# Altium PCB camera_module_PCB_V1R1.PcbDoc (part 1 of 2)
Units mil, origin at the board's own origin, x right, y up, seen from the top; angles counter-clockwise.
Board outline 5500 x 3000 mil, 4 copper layers (Component Side, Ground Plane, Power Plane, Solder Side), stack 33.234 mil thick; 119 components, 159 nets, 634 pads, 323 vias.
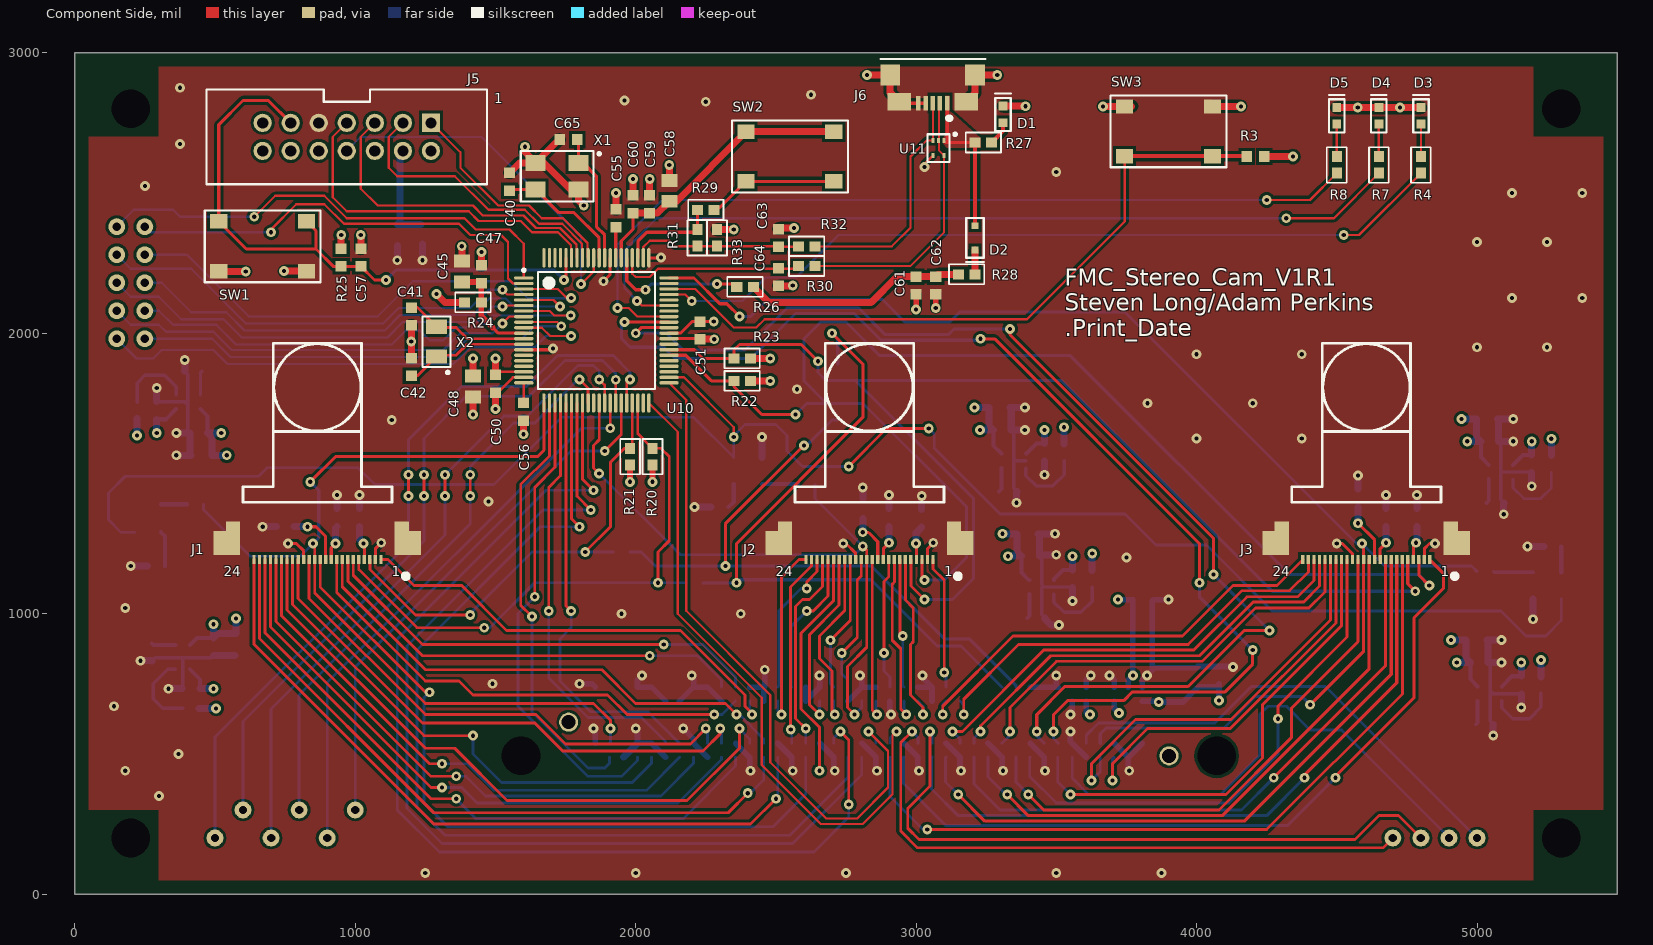
[diagram p0: Component Side view]
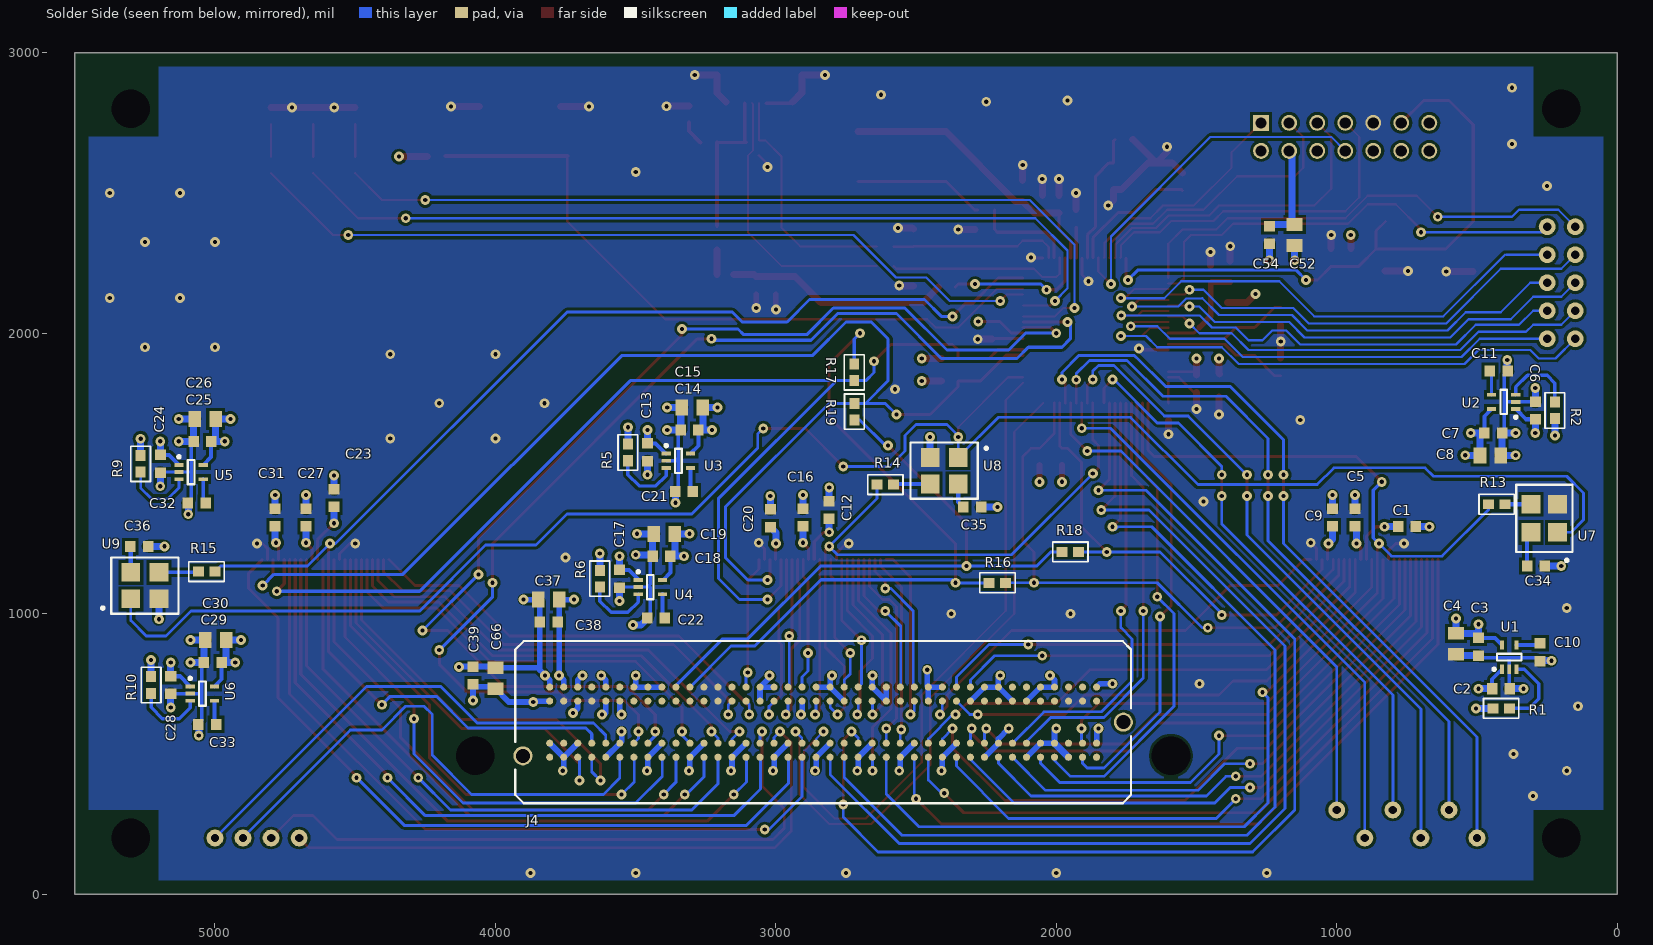
[diagram p1: Solder Side view, seen from below]
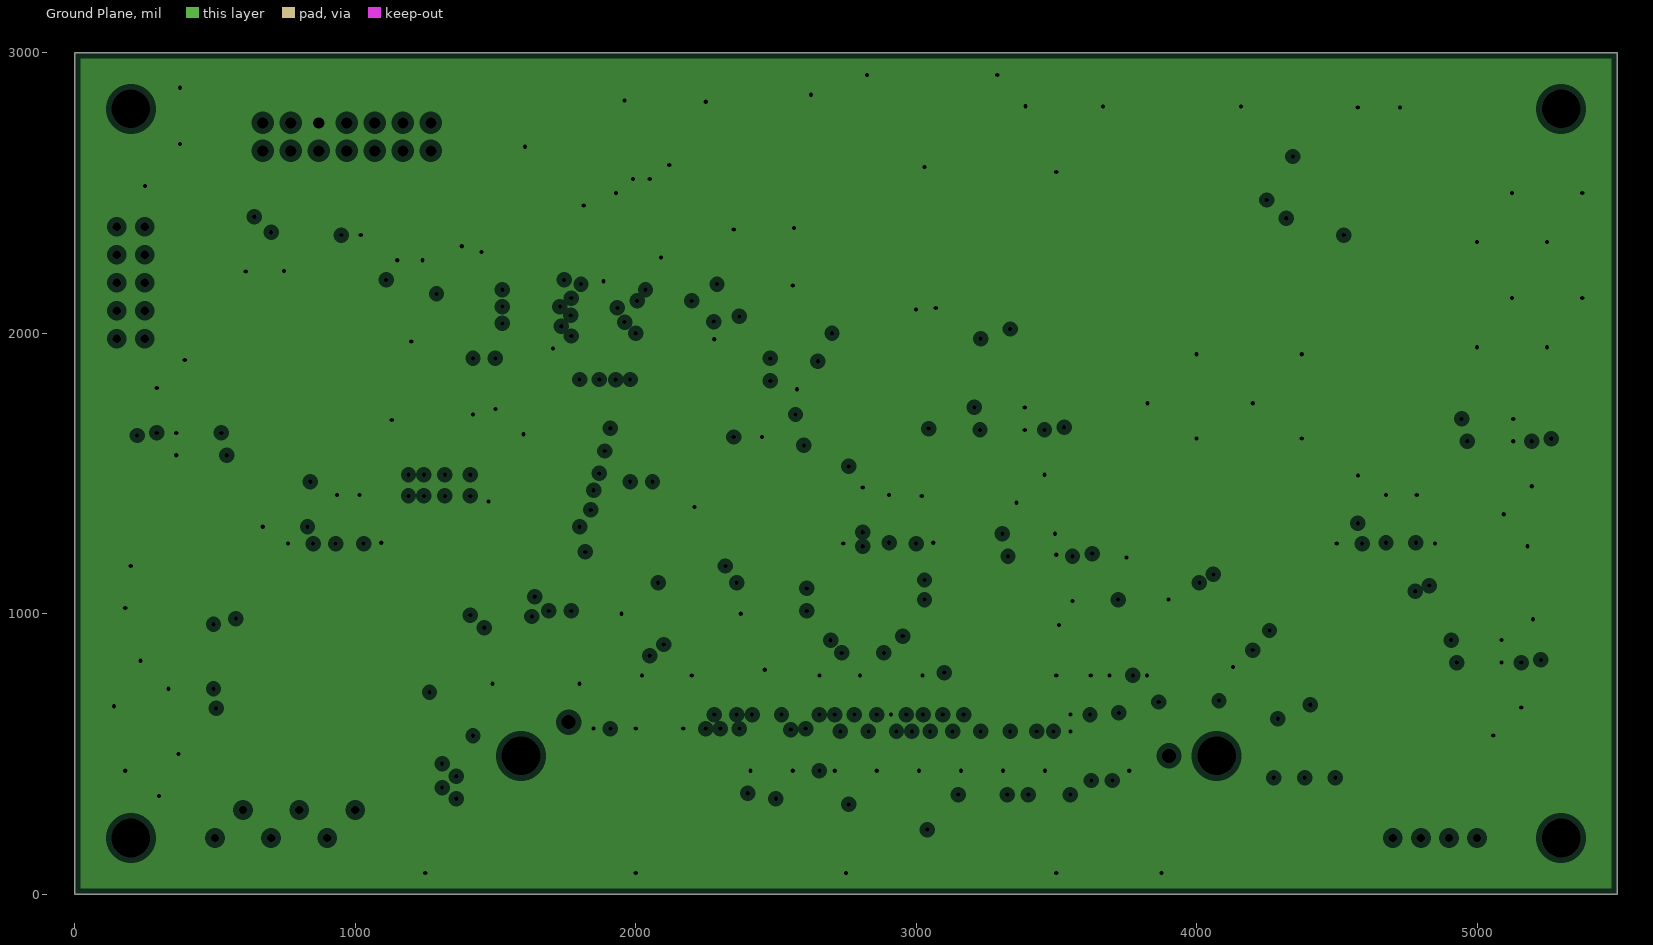
[diagram p2: Ground Plane, clearances drawn from the general rule]
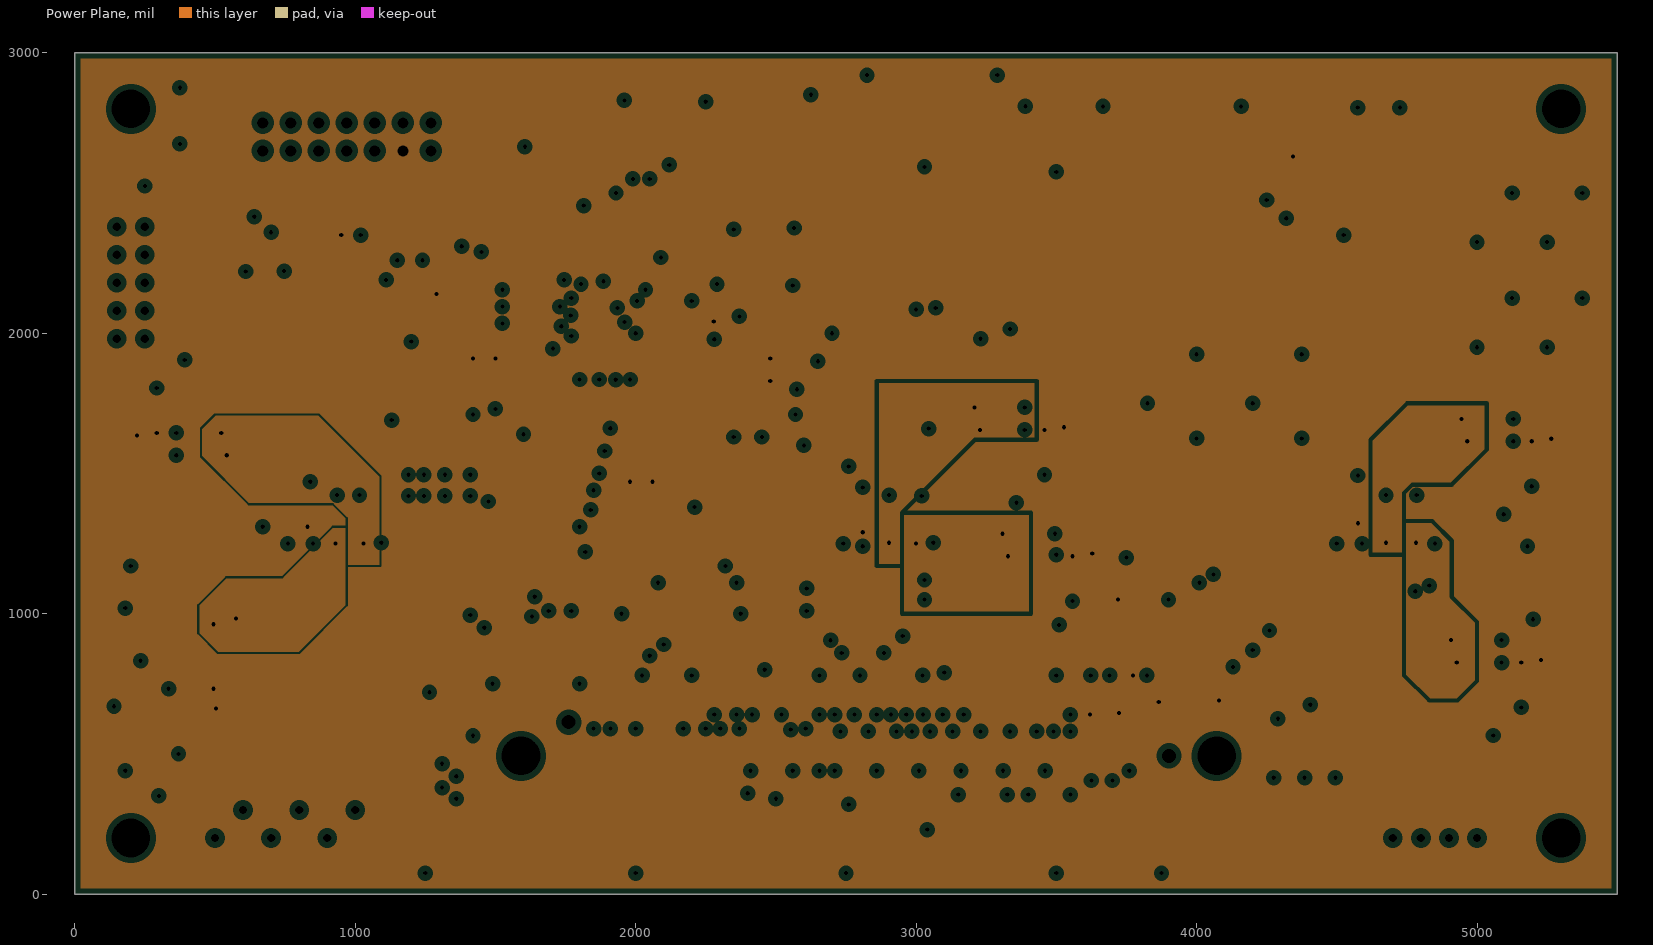
[diagram p3: Power Plane, clearances drawn from the general rule]

## Layer stack, top to bottom
Top Solder: solder mask 0.4, Solder Resist, Dk 3.5
Component Side: signal copper 1.4
Dielectric 1: core 12.6, FR-4, Dk 4.8
Ground Plane: plane copper 1.417, net GND
Dielectric 3: prepreg 5, Dk 4.2
Power Plane: plane copper 1.417, net (Multiple Nets)
Dielectric 4: core 10, Dk 4.2
Solder Side: signal copper 1.4
Bottom Solder: solder mask 0.4, Solder Resist, Dk 3.5

## Board outline
0,0 5500,0 5500,3000 0,3000

## Design rules (kind name [scope] priority, off if disabled: settings)
Clearance [All] p1: gap=7 except(10: Arc-Poly Track-Poly SMDPad-Poly THPad-Poly Via-Poly Fill-Poly Poly-Poly Poly-Region Poly-Text)
HoleSize [All] p1: absolutevalues=TRUE maxlimit=200 minlimit=15 maxpercent=80.000 minpercent=20.000
MinimumSolderMaskSliver [All] p1: minsoldermaskwidth=4
PlaneClearance [All] p1: clearance=20
PlaneConnect [All] p1: planeconnectstyle=Direct reliefexpansion=20 reliefentries=4 reliefconductorwidth=10 reliefairgap=10
PolygonConnect [All] p1: connectstyle=Direct reliefconductorwidth=10 reliefentries=4 polygonreliefangle="90 Angle" airgapwidth=10
RoutingVias [All] p1: holewidth=15 width=35 viastyle="Through Hole" minholewidth=15 minwidth=30 maxholewidth=28 maxwidth=50
SilkToSolderMaskClearance SilkscreenOverComponentPads [IsPad] p1: minsilkscreentomaskgap=6 clearancetoexposedcopper=TRUE
SolderMaskExpansion [All] p1: expansion=6
Width [All] p1: maxlimit=50 minlimit=6 preferedwidth=10
25 further rules are at their usual default settings.

## Classes and differential pairs
component class "[05] - MSP430F5529": C40 C41 C42 C45 C47 C48 C50 C51 C52 C54 C55 C56 C57 C58 C59 C60 C61 C62 C63 C64 C65 C? D1 D2 D3 D4 D5 J5 J6 R3 R4 R7 R8 R20 R21 R22 R23 R24 R25 R26 R27 R28 R29 R30 R31 R32 R33 SW1 SW2 SW3 U10 U11 X1 X2
component class "[03] - OV2640": C1 C2 C3 C4 C5 C6 C7 C8 C9 C10 C11 C12 C13 C14 C15 C16 C17 C18 C19 C20 C21 C22 C23 C24 C25 C26 C27 C28 C29 C30 C31 C32 C33 C34 C35 C36 J1 J2 J3 R1 R2 R5 R6 R9 R10 R13 R14 R15 U1 U2 U3 U4 U5 U6 U7 U8 U9
component class "[04] - Connectors": C37 C38 C39 C66 J4 R16 R17 R18 R19

## Components (designator, comment, footprint, x,y, rotation, side; value= is the part's Value field where it differs from the comment)
C1 "GRM188R71C105KA12D" CAP-0603 750,1310 r180 bottom
C2 "GRM188R71C105KA12D" CAP-0603 414.65,732.28 r180 bottom
C3 "GRM188R71C105KA12D" CAP-0603 494.65,882.28 r270 bottom
C4 "GRM21BR61E106KA73L" CAP-0805 574.65,892.28 r270 bottom
C5 "GRM188R71C104KA01D" CAP-0603 935.28,1342.6 r90 bottom
C6 "GRM188R71C105KA12D" CAP-0603 292.28,1724.65 r90 bottom
C7 "GRM188R71C105KA12D" CAP-0603 442.28,1644.65 r180 bottom
C8 "GRM21BR61E106KA73L" CAP-0805 452.28,1564.65 r180 bottom
C9 "GRM188R71C104KA01D" CAP-0603 1015.28,1342.6 r90 bottom
C10 "GRM188R71E103KA01D" CAP-0603 274.65,862.28 r270 bottom
C11 "GRM188R71E103KA01D" CAP-0603 422.28,1864.65 r180 bottom
C12 "GRM188R71C105KA12D" CAP-0603 2810,1370 r90 bottom (schematic designator C1)
C13 "GRM188R71C105KA12D" CAP-0603 3457.72,1575.28 r270 bottom (schematic designator C2)
C14 "GRM188R71C105KA12D" CAP-0603 3307.72,1655.28 r0 bottom (schematic designator C3)
C15 "GRM21BR61E106KA73L" CAP-0805 3297.72,1735.28 r0 bottom (schematic designator C4)
C16 "GRM188R71C104KA01D" CAP-0603 2903.78,1342.6 r90 bottom (schematic designator C5)
C17 "GRM188R71C105KA12D" CAP-0603 3557.72,1124.72 r270 bottom (schematic designator C6)
C18 "GRM188R71C105KA12D" CAP-0603 3407.72,1204.72 r0 bottom (schematic designator C7)
C19 "GRM21BR61E106KA73L" CAP-0805 3397.72,1284.72 r0 bottom (schematic designator C8)
C20 "GRM188R71C104KA01D" CAP-0603 3020,1340 r90 bottom (schematic designator C9)
C21 "GRM188R71E103KA01D" CAP-0603 3327.72,1435.28 r0 bottom (schematic designator C10)
C22 "GRM188R71E103KA01D" CAP-0603 3427.72,984.72 r0 bottom (schematic designator C11)
C23 "GRM188R71C105KA12D" CAP-0603 4575.43,1412.6 r90 bottom (schematic designator C1)
C24 "GRM188R71C105KA12D" CAP-0603 5195,1534.41 r270 bottom (schematic designator C2)
C25 "GRM188R71C105KA12D" CAP-0603 5045,1614.41 r0 bottom (schematic designator C3)
C26 "GRM21BR61E106KA73L" CAP-0805 5035,1694.41 r0 bottom (schematic designator C4)
C27 "GRM188R71C104KA01D" CAP-0603 4675.43,1342.6 r90 bottom (schematic designator C5)
C28 "GRM188R71C105KA12D" CAP-0603 5157.72,745.59 r270 bottom (schematic designator C6)
C29 "GRM188R71C105KA12D" CAP-0603 5007.72,825.59 r0 bottom (schematic designator C7)
C30 "GRM21BR61E106KA73L" CAP-0805 4997.72,905.59 r0 bottom (schematic designator C8)
C31 "GRM188R71C104KA01D" CAP-0603 4785.43,1342.6 r90 bottom (schematic designator C9)
C32 "GRM188R71E103KA01D" CAP-0603 5065,1394.41 r0 bottom (schematic designator C10)
C33 "GRM188R71E103KA01D" CAP-0603 5027.72,605.59 r0 bottom (schematic designator C11)
C34 "GRM188R71E103KA01D" CAP-0603 290,1170 r180 bottom
C35 "GRM188R71E103KA01D" CAP-0603 2300,1380 r180 bottom
C36 "GRM188R71E103KA01D" CAP-0603 5270,1240 r180 bottom
C37 "GRM21BR61E106KA73L" CAP-0805 3810,1050 r0 bottom
C38 "GRM188R71C105KA12D" CAP-0603 3810,970 r0 bottom
C39 "GRM188R71C105KA12D" CAP-0603 4080,780 r90 bottom
C40 "C1608C0G1H330J080AA" CAP-0603 1550,2540 r90 top
C41 "C1608C0G1H120J080AA" CAP-0603 1200,2060 r270 top
C42 "C1608C0G1H120J080AA" CAP-0603 1200,1880 r90 top
C45 "GRM21BR61E106KA73L" CAP-0805 1380,2220 r90 top
C47 "GRM188R71C104KA01D" CAP-0603 1450,2210 r90 top
C48 "GRM21BR61E106KA73L" CAP-0805 1420,1810 r270 top
C50 "GRM188R71C104KA01D" CAP-0603 1500,1820 r270 top
C51 "GRM188R71C104KA01D" CAP-0603 2230,2010 r270 top
C52 "GRM21BR61E106KA73L" CAP-0805 1150,2350 r270 bottom
C54 "GRM188R71C104KA01D" CAP-0603 1240,2350 r270 bottom
C55 "GRM188R71C224KA01D" CAP-0603 1930,2410 r90 top
C56 "C1608X5R1C474K080AA" CAP-0603 1600,1720 r270 top
C57 "GRM188R71C222KA01D" CAP-0603 1020,2270 r90 top
C58 "GRM21BR61E106KA73L" CAP-0805 2120,2507.4 r270 top
C59 "GRM188R71C104KA01D" CAP-0603 2050,2460 r270 top
C60 "GRM188R71C224KA01D" CAP-0603 1990,2460 r90 top
C61 "GRM188R60J475KE19D" CAP-0603 3000,2170 r270 top
C62 "GRM188R71C104KA01D" CAP-0603 3070,2170 r270 top
C63 "GRM1885C1H100JA01D" CAP-0603 2510,2340 r90 top
C64 "GRM1885C1H100JA01D" CAP-0603 2510,2200 r270 top
C65 "C1608C0G1H330J080AA" CAP-0603 1760,2690 r180 top
C66 "GRM21BR60J476ME15L" CAP-0805 4000,770 r90 bottom
D1 "LB Q39E-N1OO-35-1" LED_0603 3310,2780 r90 top
D2 "SD103AWS-E3-08" SOD-323 3210,2340 r90 top
D3 "SMLE12WBC7W1" LED_0603 4800,2775 r90 top
D4 "SML-D12M8WT86" LED_0603 4650,2775 r90 top
D5 "SML-D12U8WT86" LED_0603 4500,2775 r90 top
J1 "OV2640 FFC" OV2640FSL 865.28,1192.6 r0 top
J2 "OV2640 FFC" OV2640FSL 2833.78,1192.6 r0 top (schematic designator J1)
J3 "OV2640 FFC" OV2640FSL 4605.43,1192.6 r0 top (schematic designator J1)
J4 "ASP-134604-01" ASP-134604-01 2831.5,613.07 r90 bottom
J5 "2514-6002UB" 2514-6002UB 970,2700 r180 top
J6 "ZX62-B-5PA(11)" MICRO-USB 3110,2820 r180 top
R1 "ERJ-3GEY0R00V" R0603 414.17,662.28 r180 bottom
R2 "ERJ-3GEY0R00V" R0603 222.28,1724.65 r90 bottom
R3 "Panasonic Electronic Components" CAP-0603 4210,2630 r0 top
R4 "ERJ-3EKF4700V" R0603 4800,2600 r270 top
R5 "ERJ-3GEY0R00V" R0603 3527.72,1574.8 r270 bottom (schematic designator R1)
R6 "ERJ-3GEY0R00V" R0603 3627.72,1124.72 r270 bottom (schematic designator R2)
R7 "ERJ-3EKF4700V" R0603 4650,2600 r270 top
R8 "ERJ-3EKF4700V" R0603 4500,2600 r270 top
R9 "ERJ-3GEY0R00V" R0603 5265,1533.94 r270 bottom (schematic designator R1)
R10 "ERJ-3GEY0R00V" R0603 5227.72,745.59 r270 bottom (schematic designator R2)
R13 "ERJ-3GEY0R00V" R0603 430,1390 r0 bottom
R14 "ERJ-3GEY0R00V" R0603 2610,1460 r0 bottom
R15 "ERJ-3GEY0R00V" R0603 5030,1150 r180 bottom
R16 "ERJ-3GEY0R00V" R0603 2210,1110 r0 bottom
R17 "ERJ-3GEY0R00V" R0603 2720.47,1860.47 r90 bottom
R18 "ERJ-3GEY0R00V" R0603 1950,1220 r0 bottom
R19 "ERJ-3GEY0R00V" R0603 2720,1720 r270 bottom
R20 "ERJ-3EKF4701V" R0603 2060,1560 r270 top
R21 "ERJ-3EKF4701V" R0603 1980,1560 r270 top
R22 "ERJ-3EKF4701V" R0603 2380,1830 r0 top
R23 "ERJ-3EKF4701V" R0603 2380,1910 r0 top
R24 "ERJ-3GEY0R00V" R0603 1420,2110 r180 top
R25 "Panasonic Electronic Components" CAP-0603 950,2270 r90 top
R26 "ERJ-3GEY0R00V" R0603 2390,2165 r180 top
R27 "ERJ-3EKF4700V" R0603 3240,2680 r180 top
R28 "ERJ-3GEY0R00V" R0603 3180,2210 r0 top
R29 "ERJ-3EKF1000V" R0603 2250,2440 r0 top
R30 "ERJ-3EKF27R0V" R0603 2610,2239.53 r0 top
R31 "ERJ-3EKF1401V" R0603 2220,2340 r90 top
R32 "ERJ-3EKF27R0V" R0603 2610,2309.53 r0 top
R33 "ERJ-3EKF1004V" R0603 2290,2340 r90 top
SW1 "PTS645SH50SMTR92 LFS" "TACTILE SWITCH" 670,2310 r0 top
SW2 "PTS645SH50SMTR92 LFS" "TACTILE SWITCH" 2550,2630 r0 top
SW3 "PTS645SH50SMTR92 LFS" "TACTILE SWITCH" 3900,2720 r180 top
U1 "TPS71713DCKR" SOT65P210X110-5N 385,845 r90 bottom
U2 "TPS71728DCKR" SOT65P210X110-5N 405,1755 r0 bottom
U3 "TPS71713DCKR" SOT65P210X110-5N 3347.72,1545 r180 bottom (schematic designator U1)
U4 "TPS71728DCKR" SOT65P210X110-5N 3447.72,1095 r180 bottom (schematic designator U2)
U5 "TPS71713DCKR" SOT65P210X110-5N 5085,1505 r180 bottom (schematic designator U1)
U6 "TPS71728DCKR" SOT65P210X110-5N 5045,715 r180 bottom (schematic designator U2)
U7 "24MHz" "OSC 4-SMD" 260,1340 r90 bottom
U8 "24MHz" "OSC 4-SMD" 2400,1510 r0 bottom
U9 "24MHz" "OSC 4-SMD" 5250,1100 r180 bottom
U10 "MSP430F5529IPNR" TI-PN80_N 1860,2010 r0 top
U11 "TPD2E001DRLRG4" DRL 3080,2660 r180 top
X1 "12MHz" "XTAL-4SMD 5X3.20" 1720,2560 r180 top
X2 "32.768kHz" 2-SMD_XTAL 1290,1970 r90 top

## Footprints (in the part's own frame and the unit in brackets; to place one, negate y for a bottom-side part, rotate by r counter-clockwise, add the part's x,y. Pads: shape width x height; smd on the part's side, far side on the other; paste and mask are expansions set on the pad)
2-SMD_XTAL [mm] "3.2x1.5"
  rect 1.3x1.9 smd: 1(-1.35,0) 2(1.35,0)
  silkscreen extent -2.92,-1.27 2.29,1.27, body extent -1.6,-0.75 1.6,0.75, height 0.89
2514-6002UB [mil] "SHROUDED HEADER 14 POS STRAIGHT"
  rect 65x65 / inner rect 62.99x62.99 / far side rect 56.5x56.5 hole 40 paste+0: 1(-300,-50)
  round 65 / inner round 62.99 / far side round 56.5 hole 40 paste+0: 2(-300,50) 3(-200,-50) 4(-200,50) 5(-100,-50) 6(-100,50) 7(0,-50) 8(0,50) 9(100,-50) 10(100,50) 11(200,-50) 12(200,50) 13(300,-50) 14(300,50)
  silkscreen extent -500,-169 500,169, body extent -500,-175 500,175, height 365
ASP-134604-01 [mm] "FPC 0.050 Pitch Socket Array Assembly"
  round 1.524 hole 3.5: 0(-3.05,-31.5) 0(-3.05,31.5)
  round 0.64 smd: C1(3.175,-24.765) C2(3.175,-23.495) C3(3.175,-22.225) C4(3.175,-20.955) C5(3.175,-19.685) C6(3.175,-18.415) C7(3.175,-17.145) C8(3.175,-15.875) C9(3.175,-14.605) C10(3.175,-13.335) C11(3.175,-12.065) C12(3.175,-10.795) C13(3.175,-9.525) C14(3.175,-8.255) C15(3.175,-6.985) C16(3.175,-5.715) C17(3.175,-4.445) C18(3.175,-3.175) C19(3.175,-1.905) C20(3.175,-0.635) C21(3.175,0.635) C22(3.175,1.905) C23(3.175,3.175) C24(3.175,4.445) C25(3.175,5.715) C26(3.175,6.985) C27(3.175,8.255) C28(3.175,9.525) C29(3.175,10.795) C30(3.175,12.065) C31(3.175,13.335) C32(3.175,14.605) C33(3.175,15.875) C34(3.175,17.145) C35(3.175,18.415) C36(3.175,19.685) C37(3.175,20.955) C38(3.175,22.225) C39(3.175,23.495) C40(3.175,24.765) D1(1.905,-24.765) D2(1.905,-23.495) D3(1.905,-22.225) D4(1.905,-20.955) D5(1.905,-19.685) D6(1.905,-18.415) D7(1.905,-17.145) D8(1.905,-15.875) D9(1.905,-14.605) D10(1.905,-13.335) D11(1.905,-12.065) D12(1.905,-10.795) D13(1.905,-9.525) D14(1.905,-8.255) D15(1.905,-6.985) D16(1.905,-5.715) D17(1.905,-4.445) D18(1.905,-3.175) D19(1.905,-1.905) D20(1.905,-0.635) D21(1.905,0.635) D22(1.905,1.905) D23(1.905,3.175) D24(1.905,4.445) D25(1.905,5.715) D26(1.905,6.985) D27(1.905,8.255) D28(1.905,9.525) D29(1.905,10.795) D30(1.905,12.065) D31(1.905,13.335) D32(1.905,14.605) D33(1.905,15.875) D34(1.905,17.145) D35(1.905,18.415) D36(1.905,19.685) D37(1.905,20.955) D38(1.905,22.225) D39(1.905,23.495) D40(1.905,24.765) G1(-1.905,-24.765) G2(-1.905,-23.495) G3(-1.905,-22.225) G4(-1.905,-20.955) G5(-1.905,-19.685) G6(-1.905,-18.415) G7(-1.905,-17.145) G8(-1.905,-15.875) G9(-1.905,-14.605) G10(-1.905,-13.335) G11(-1.905,-12.065) G12(-1.905,-10.795) G13(-1.905,-9.525) G14(-1.905,-8.255) G15(-1.905,-6.985) G16(-1.905,-5.715) G17(-1.905,-4.445) G18(-1.905,-3.175) G19(-1.905,-1.905) G20(-1.905,-0.635) G21(-1.905,0.635) G22(-1.905,1.905) G23(-1.905,3.175) G24(-1.905,4.445) G25(-1.905,5.715) G26(-1.905,6.985) G27(-1.905,8.255) G28(-1.905,9.525) G29(-1.905,10.795) G30(-1.905,12.065) G31(-1.905,13.335) G32(-1.905,14.605) G33(-1.905,15.875) G34(-1.905,17.145) G35(-1.905,18.415) G36(-1.905,19.685) G37(-1.905,20.955) G38(-1.905,22.225) G39(-1.905,23.495) G40(-1.905,24.765) H1(-3.175,-24.765) H2(-3.175,-23.495) H3(-3.175,-22.225) H4(-3.175,-20.955) H5(-3.175,-19.685) H6(-3.175,-18.415) H7(-3.175,-17.145) H8(-3.175,-15.875) H9(-3.175,-14.605) H10(-3.175,-13.335) H11(-3.175,-12.065) H12(-3.175,-10.795) H13(-3.175,-9.525) H14(-3.175,-8.255) H15(-3.175,-6.985) H16(-3.175,-5.715) H17(-3.175,-4.445) H18(-3.175,-3.175) H19(-3.175,-1.905) H20(-3.175,-0.635) H21(-3.175,0.635) H22(-3.175,1.905) H23(-3.175,3.175) H24(-3.175,4.445) H25(-3.175,5.715) H26(-3.175,6.985) H27(-3.175,8.255) H28(-3.175,9.525) H29(-3.175,10.795) H30(-3.175,12.065) H31(-3.175,13.335) H32(-3.175,14.605) H33(-3.175,15.875) H34(-3.175,17.145) H35(-3.175,18.415) H36(-3.175,19.685) H37(-3.175,20.955) H38(-3.175,22.225) H39(-3.175,23.495) H40(-3.175,24.765)
  round 1.727 hole 1.27: S1(0,-27.19)
  round 1.727 hole 1.27 unplated: S2(-3.05,27.19)
  silkscreen extent -7.34,-27.89 7.34,27.89, body extent -7.34,-28.71 7.34,27.95, height 6.38
CAP-0603 [mm] "Chip Capacitor, 2-Leads, Body 1.60x0.80mm, IPC Medium Density"
  rect 0.95x1 smd: 1(-0.8,0) 2(0.8,0)
  body extent -0.85,-0.45 0.85,0.45, height 0.9
CAP-0805 [mm] "Chip Capacitor, 2-Leads, Body 2.00x1.25mm, IPC Medium Density"
  rect 1.15x1.45 smd: 1(-0.95,0) 2(0.95,0)
  body extent -1.1,-0.72 1.1,0.72, height 1.1
DRL [mm] "5 PIN Plastic Small Outline"
  rect 0.3x0.45 smd: 1(-0.5,-0.675) 2(0,-0.675) 3(0.5,-0.675) 4(0.5,0.675) 5(-0.5,0.675)
  silkscreen extent -1.63,-1.37 1,1.25
LED_0603 [mm]
  rect 0.8x0.8 smd: 1(-0.75,0) 2(0.75,0)
  silkscreen extent -1.5,-0.7 1.9,0.7
MICRO-USB [mm]
  rect 0.4x1.35 smd: 1(-0.015,0) 2(0.635,0) 3(1.285,0) 4(1.935,0) 5(2.585,0)
  rect 1.8x1.9 smd: 6(-2.53,-2.55) 6(5.14,-2.55)
  rect 2.1x1.6 smd: 6(-1.74,-0.125) 6(4.32,-0.125)
  silkscreen extent -3.5,-4 6,1.37
"OSC 4-SMD" [mm]
  rect 1.7x1.7 smd: 1(-1.27,-1.2) 2(1.27,-1.2) 3(1.27,1.2) 4(-1.27,1.2)
  silkscreen extent -3.93,-2.54 3.05,2.54, body extent -2.5,-1.6 2.5,1.6, height 1.29
OV2640FSL [mm] "Flex Connector for OV2640"
  rect 0.3x0.8 smd: 1(5.75,0) 2(5.25,0) 3(4.75,0) 4(4.25,0) 5(3.75,0) 6(3.25,0) 7(2.75,0) 8(2.25,0) 9(1.75,0) 10(1.25,0) 11(0.75,0) 12(0.25,0) 13(-0.25,0) 14(-0.75,0) 15(-1.25,0) 16(-1.75,0) 17(-2.25,0) 18(-2.75,0) 19(-3.25,0) 20(-3.75,0) 21(-4.25,0) 22(-4.75,0) 23(-5.25,0) 24(-5.75,0)
  rect 2.4x2.2 smd: SH(-8.2,1.5) SH(8.2,1.5)
  rect 1.3x3 smd: SH(-7.65,1.95) SH(7.65,1.95)
  silkscreen extent -6.75,-1.63 8.13,19.6, body extent -9.3,-0.01 9.3,6.79, height 2.03
R0603 [mm] "Chip Resistor, 2-Leads, Body 1.60x0.80mm, IPC Medium Density"
  rect 1x0.9 smd: 1(-0.75,0) 2(0.75,0)
  silkscreen extent -1.6,-0.9 1.6,0.9, body extent -0.85,-0.45 0.85,0.45, height 0.55
SOD-323 [mm]
  rect 0.6x0.6 smd: 1(-1.1,0) 3(1.1,0)
  silkscreen extent -2.2,-0.8 1.8,0.8
SOT65P210X110-5N [mm] "SOT23, 5-Leads, Body 2.00x2.10mm, Pitch 0.65mm, IPC Medium Density"
  rect 0.85x0.35 smd mask+0.152: 1(-1.1,0.65) 2(-1.1,0) 3(-1.1,-0.65)
  rect 0.85x0.35 smd: 4(1.1,-0.65) 5(1.1,0.65)
  silkscreen extent -1.22,-1.1 0.3,1.5, body extent -0.7,-1.07 0.7,1.08, height 1.1
"TACTILE SWITCH" [mm] "SMT Tactile Switch"
  rect 1.55x1.3 smd paste+0: 1(-3.975,2.25) 2(3.975,2.25) 3(-3.975,-2.25) 4(3.975,-2.25)
  silkscreen extent -5.25,-3.25 5.25,3.25
TI-PN80_N [mm] "QFP, 80-Leads, Body 12x12mm, Pitch 0.5mm, IPC Medium Density"
  oval 1.75x0.3 smd: 1(-6.575,4.75) 2(-6.575,4.25) 3(-6.575,3.75) 4(-6.575,3.25) 5(-6.575,2.75) 6(-6.575,2.25) 7(-6.575,1.75) 8(-6.575,1.25) 9(-6.575,0.75) 10(-6.575,0.25) 11(-6.575,-0.25) 12(-6.575,-0.75) 13(-6.575,-1.25) 14(-6.575,-1.75) 15(-6.575,-2.25) 16(-6.575,-2.75) 17(-6.575,-3.25) 18(-6.575,-3.75) 19(-6.575,-4.25) 20(-6.575,-4.75) 41(6.575,-4.75) 42(6.575,-4.25) 43(6.575,-3.75) 44(6.575,-3.25) 45(6.575,-2.75) 46(6.575,-2.25) 47(6.575,-1.75) 48(6.575,-1.25) 49(6.575,-0.75) 50(6.575,-0.25) 51(6.575,0.25) 52(6.575,0.75) 53(6.575,1.25) 54(6.575,1.75) 55(6.575,2.25) 56(6.575,2.75) 57(6.575,3.25) 58(6.575,3.75) 59(6.575,4.25) 60(6.575,4.75)
  oval 0.3x1.75 smd: 21(-4.75,-6.575) 22(-4.25,-6.575) 23(-3.75,-6.575) 24(-3.25,-6.575) 25(-2.75,-6.575) 26(-2.25,-6.575) 27(-1.75,-6.575) 28(-1.25,-6.575) 29(-0.75,-6.575) 30(-0.25,-6.575) 31(0.25,-6.575) 32(0.75,-6.575) 33(1.25,-6.575) 34(1.75,-6.575) 35(2.25,-6.575) 36(2.75,-6.575) 37(3.25,-6.575) 38(3.75,-6.575) 39(4.25,-6.575) 40(4.75,-6.575) 61(4.75,6.575) 62(4.25,6.575) 63(3.75,6.575) 64(3.25,6.575) 65(2.75,6.575) 66(2.25,6.575) 67(1.75,6.575) 68(1.25,6.575) 69(0.75,6.575) 70(0.25,6.575) 71(-0.25,6.575) 72(-0.75,6.575) 73(-1.25,6.575) 74(-1.75,6.575) 75(-2.25,6.575) 76(-2.75,6.575) 77(-3.25,6.575) 78(-3.75,6.575) 79(-4.25,6.575) 80(-4.75,6.575)
  silkscreen extent -6.7,-5.3 5.3,5.57, body extent -6,-6 6,6, height 1.6
"XTAL-4SMD 5X3.20" [mm]
  rect 1.8x1.45 smd: 1(-1.95,-1.2) 2(1.95,-1.2) 3(1.95,1.2) 4(-1.95,1.2)
  silkscreen extent -3.94,-2.29 3.3,2.29, body extent -2.5,-1.59 2.5,1.59, height 1.1

## Part data
C1 C2 C3 C6 C7 C12 C13 C14 C17 C18 C23 C24 C25 C28 C29 C38 C39: "CAP CER 1UF 16V X7R 0603"
C4 C8 C15 C19 C26 C30 C37 C45 C48 C52 C58: "CAP CER 10UF 25V X5R 0805"
C5 C9 C16 C20 C27 C31 C47 C50 C51 C54 C59 C62: "CAP CER 0.1UF 16V X7R 0603"
C10 C11 C21 C22 C32 C33 C34 C35 C36: "CAP CER 10000PF 25V X7R 0603"
C40 C65: "CAP CER 33PF 50V C0G 0603"
C41 C42: "CAP CER 12PF 50V C0G 0603"
C55 C60: "CAP CER 0.22UF 16V X7R 0603"
C56: "CAP CER 0.47UF 16V X5R 0603"
C57: "CAP CER 2200PF 16V X7R 0603"
C61: "CAP CER 4.7UF 6.3V X5R 0603"
C63 C64: "CAP CER 10PF 50V NP0 0603"
C66: "CAP CER 47UF 6.3V X5R 0805"
D1: "LED BLUE DIFFUSED 0603 SMD"
D2: "DIODE SCHOTTKY 40V 350MA SOD323"
D3: "LED WHITE DIFFUSED 0603 SMD"
D4: "LED GREEN DIFFUSED 0603 SMD"
D5: "LED RED DIFFUSED 0603 SMD"
J1 J2 J3: library part 0524372433, "CONN FFC BOTTOM 24POS 0.50MM R/A"
J4: "SAMTEC - ASP-134604-01 - Board-To-Board Connector, Vita 57 XMC, ASP Series, Surface Mount, Header, 160, 1.27 mm"
J5: "SHROUDED HEADER 14 POS STRAIGHT"
J6: "CONN RCPT MICRO USB B SMD R/A"
R1 R2 R5 R6 R9 R10 R13 R14 R15 R16 R17 R18 R19 R24 R26 R28: "RES SMD 0.0OHM JUMPER 1/10W 0603"
R3 R25: library part ERJ-3EKF4702V, "RES SMD 47K OHM 1% 1/10W 0603"
R4 R7 R8 R27: "RES SMD 470 OHM 1% 1/10W 0603"
R20 R21 R22 R23: "RES SMD 4.7K OHM 1% 1/10W 0603"
R29: "RES SMD 100 OHM 1% 1/10W 0603"
R30 R32: "RES SMD 27 OHM 1% 1/10W 0603"
R31: "RES SMD 1.4K OHM 1% 1/10W 0603"
R33: "RES SMD 1M OHM 1% 1/10W 0603"
SW1 SW2 SW3: "SWITCH TACTILE SPST-NO 0.05A 12V"
U1 U3 U5: "IC REG LDO 1.3V 0.15A SC70-5"
U2 U4 U6: "IC REG LDO 2.8V 0.15A SC70-5"
U7 U8 U9: library part ASFL1-24.000MHZ-EC-T, "OSC XO 24.000MHZ HCMOS TTL SMD"
U10: "IC MCU 16BIT 128KB FLASH 80LQFP"
U11: "TVS DIODE 5.5VWM 100VC SOT5"
X1: library part ECS-120-20-30B-TR, "CRYSTAL 12.0000MHZ 20PF SMD"
X2: library part ABS07-32.768KHZ-9-T, "CRYSTAL 32.7680KHZ 9PF SMD"

## Free pads (board coordinates)
  round 60 hole 137.8: 0(200,200) 0(200,2800) 0(5300,200) 0(5300,2800)
  round 60 hole 30: 2(150,1980) 2(150,2080) 2(150,2180) 2(150,2280) 2(150,2380) 2(250,1980) 2(250,2080) 2(250,2180) 2(250,2280) 2(250,2380) 2(500,200) 2(600,300) 2(700,200) 2(800,300) 2(900,200) 2(1000,300) 2(4700,200) 2(4800,200) 2(4900,200) 2(5000,200)

## Via types
v1: diameter 35, hole 15, Component Side to Solder Side, 323 vias

## Nets (pads, with @x,y where several pads share a name; then routed paths per layer and width w, separated by ;. In a path a pad name is that pad's centre, name@x,y a point inside that pad or via, vN(x,y) a via of type N, cw(c..) or ccw(c..) an arc to the next point about the centre after c; other vN are vias at no path point)
AVCC1: C45.1 C47.1 R24.1 U10.11 | length 366.2
  Component Side w11: 1490.24,2020.24 1510.31,2000.16 U10.11@1601.14,2000.16
  Component Side w20: C45.1@1380,2182.6 1445.91,2182.6 C47.1@1450,2178.5 1449.53,2178.03 R24.1@1449.53,2110 1449.53,2060.94 1490.24,2020.24
DATA0_1: J1.24 J4.H14 | length 2616.2
  Component Side w10: J1.24@638.9,1192.6 638.9,891.1 1280,250 2410,250 v1(2500,340)
  Solder Side w10: v1(2500,340) 2506.5,346.5 J4.H14@2506.5,488.07
DATA0_2: J2.24 J4.D14 | length 657
  Component Side w10: v1(2520,640) 2520,1130 2582.6,1192.6 J2.24@2607.4,1192.6
  Solder Side w10: J4.D14@2506.5,688.07 2506.5,653.5 v1(2520,640)
DATA0_3: J3.24 J4.D26 | length 1583.4
  Component Side w10: v1(3095,640) 3095,670 3345,920 3950,920 4130,1100 4286.46,1100 J3.24@4379.06,1192.6
  Solder Side w10: v1(3095,640) 3095,676.57 J4.D26@3106.5,688.07
DATA1_1: J1.23 J4.H13 | length 2466.3
  Component Side w10: J1.23@658.58,1192.6 658.58,911.42 1280,290 2330,290 v1(2400,360)
  Solder Side w10: v1(2400,360) 2410,360 2456.5,406.5 J4.H13@2456.5,488.07
DATA1_2: J2.23 J4.G15 | length 687.5
  Component Side w10: v1(2553.25,586.75) 2552,588 2552,1094.91 2627.09,1170 J2.23@2627.09,1192.6
  Solder Side w10: v1(2553.25,586.75) 2556.5,583.5 J4.G15@2556.5,538.07
DATA1_3: J3.23 J4.D27 | length 1569.2
  Component Side w10: v1(3170,640) 3170,695 3365,890 3970,890 4162,1082 4332,1082 4398.74,1148.74 J3.23@4398.74,1192.6
  Solder Side w10: J4.D27@3156.5,688.07 3170,674.57 v1(3170,640)
DATA2_1: J1.19 J4.H7 | length 1925.9
  Component Side w10: J1.19@737.32,1192.6 737.32,992.68 1265,465 v1(1310,465)
  Solder Side w10: v1(1310,465) 1400,465 1495,370 2038.43,370 J4.H7@2156.5,488.07
DATA2_2: J2.19 J4.H17 | length 876.2
  Component Side w10: v1(2655,440) 2655,595 2590,660 2590,930 2705.83,1045.83 J2.19@2705.83,1192.6
  Solder Side w10: v1(2655,440) 2655,486.57 J4.H17@2656.5,488.07
DATA2_3: J3.19 J4.H37 | length 1436
  Component Side w10: v1(3625,405) 3625,465 3782.5,622.5 4122.5,622.5 4477.48,977.48 J3.19@4477.48,1192.6
  Solder Side w10: v1(3625,405) 3656.5,436.5 J4.H37@3656.5,488.07
DATA3_1: J1.21 J4.H10 | length 2181.1
  Component Side w10: J1.21@697.95,1192.6 697.95,952.05 1270,380 v1(1310,380)
  Solder Side w10: v1(1310,380) 1380,380 1435,325 2151.5,325 2306.5,480 J4.H10@2306.5,488.07
DATA3_2: J2.21 J4.G16 | length 724.2
  Component Side w10: v1(2606.5,590) 2570,626.5 2570,1025 2595,1050 2620,1050 2666.46,1096.46 J2.21@2666.46,1192.6
  Solder Side w10: J4.G16@2606.5,538.07 v1(2606.5,590)
DATA3_3: J3.21 J4.G28 | length 1580.6
  Component Side w10: v1(3230,580) 3230,600 3480,850 4010,850 4202,1042 4382,1042 4438.11,1098.11 J3.21@4438.11,1192.6
  Solder Side w10: J4.G28@3206.5,538.07 3206.5,556.5 v1(3230,580)
DATA4_1: J1.22 J4.H11 | length 2322
  Component Side w10: J1.22@678.27,1192.6 678.27,931.73 1270,340 v1(1360,340)
  Solder Side w10: v1(1360,340) 1430,270 2170,270 2356.5,456.5 J4.H11@2356.5,488.07
DATA4_2: J2.22 J4.C14 | length 524.3
  Component Side w10: v1(2610,1090) 2610,1113.23 2646.77,1150 J2.22@2646.77,1192.6
  Solder Side w10: J4.C14@2506.5,738.07 2510,741.57 2510,1010 2590,1090 v1(2610,1090)
DATA4_3: J3.22 J4.G27 | length 1638.5
  Component Side w10: v1(3130,580) 3165,580 3455,870 3990,870 4180,1060 4360,1060 4418.43,1118.43 J3.22@4418.43,1192.6
  Solder Side w10: v1(3130,580) 3156.5,553.5 J4.G27@3156.5,538.07
DATA5_1: J1.20 J4.H8 | length 2036.7
  Component Side w10: J1.20@717.64,1192.6 717.64,972.36 1270,420 v1(1360,420)
  Solder Side w10: v1(1360,420) 1395,420 1465,350 2090,350 2206.5,466.5 J4.H8@2206.5,488.07
DATA5_2: J2.20 J4.C15 | length 523
  Component Side w10: v1(2610,1010) 2633.13,1010 2686.14,1063.01 J2.20@2686.14,1192.6
  Solder Side w10: J4.C15@2556.5,738.07 2555,739.57 2555,955 v1(2610,1010)
DATA5_3: J3.20 J4.G30 | length 1547.3
  Component Side w10: v1(3335,580) 3335,665 3500,830 4020,830 4210,1020 4400,1020 4457.8,1077.8 J3.20@4457.8,1192.6
  Solder Side w10: J4.G30@3306.5,538.07 3335,566.57 v1(3335,580)
DATA6_1: J1.18 J4.G12 | length 2288.3
  Component Side w10: J1.18@757.01,1192.6 757.01,1012.99 1250,520 1355,520 1541.5,333.5 2183.5,333.5 2370,520 v1(2370,590)
  Solder Side w10: v1(2370,590) 2406.5,553.5 J4.G12@2406.5,538.07
DATA6_2: J2.18 J4.D17 | length 659.5
  Component Side w10: v1(2655,640) 2620,675 2620,925 2725.51,1030.51 J2.18@2725.51,1192.6
  Solder Side w10: v1(2655,640) 2655,686.57 J4.D17@2656.5,688.07
DATA6_3: J3.18 J4.H38 | length 1376.4
  Component Side w10: v1(3700,405) 3700,465 3825,590 4120,590 4497.17,967.17 J3.18@4497.17,1192.6
  Solder Side w10: v1(3700,405) 3700,481.57 J4.H38@3706.5,488.07
DATA7_1: J1.16 J4.G10 | length 1967.2
  Component Side w10: J1.16@796.38,1192.6 796.38,1053.62 1240,610 1640,610 1740,510 2240,510 2301.57,571.57 v1(2301.57,590)
  Solder Side w10: v1(2301.57,590) 2306.5,585.08 J4.G10@2306.5,538.07
DATA7_2: J2.16 J4.C18 | length 488.1
  Component Side w10: v1(2695,905) 2764.88,974.88 J2.16@2764.88,1192.6
  Solder Side w10: v1(2695,905) 2695,749.57 2704.57,740 2705,740 J4.C18@2706.5,738.5
DATA7_3: J3.16 J4.H32 | length 1860.2
  Component Side w10: v1(4290,625) 4290,670 4536.54,916.54 J3.16@4536.54,1192.6
  Solder Side w10: J4.H32@3406.5,488.07 3405,486.57 3405,420 3500,325 4115,325 4290,500 v1(4290,625)
DATA8_1: J1.14 J4.G9 | length 1845.1
  Component Side w10: J1.14@835.75,1192.6 835.75,1054.25 1250,640 1645,640 1750,535 2195,535 v1(2250,590)
  Solder Side w10: v1(2250,590) 2256.5,583.5 J4.G9@2256.5,538.07
DATA8_2: J2.14 J4.C19 | length 492.1
  Component Side w10: v1(2735,860) 2790,915 2790,1120 2804.25,1134.25 J2.14@2804.25,1192.6
  Solder Side w10: v1(2735,860) 2735,785 2756.5,763.5 J4.C19@2756.5,738.07
DATA8_3: J3.14 J4.H31 | length 1951.9
  Component Side w11: v1(3400,355) 3455,300 4080,300 4337.95,557.95 4337.95,662.05 4575.91,900 J3.14@4575.91,1192.6
  Solder Side w11: J4.H31@3356.5,488.07 3356.5,398.5 v1(3400,355)
DATA9_1: J1.12 J4.H16 | length 2622.7
  Component Side w10: J1.12@875.12,1192.6 875.12,1094.88 1250,720 v1(1265,720)
  Solder Side w10: v1(1265,720) 1245,700 1245,325 1330,240 2490,240 2606.5,356.5 J4.H16@2606.5,488.07
DATA9_2: J2.12 J4.D21 | length 608.9
  Component Side w10: J2.12@2843.62,1192.6 2843.62,656.38 v1(2860,640)
  Solder Side w10: J4.D21@2856.5,688.07 2856.5,643.5 v1(2860,640)
DATA9_3: J3.12 J4.H29 | length 2091.7
  Component Side w11: v1(3325,355) 3400,280 4091.87,280 4615.28,803.41 J3.12@4615.28,1192.6
  Solder Side w11: J4.H29@3256.5,488.07 3256.5,418.5 3320,355 v1(3325,355)
DM: C64.1 R30.1 U10.64 | length 670.7
  Component Side w8: U10.64@1987.95,2268.86 1987.95,2212.05 2000,2200 2050,2200 2080,2230 2570.94,2230 R30.1@2580.47,2239.53
DP: C63.1 R31.1 R32.1 R33.1 U10.62 | length 610.3
  Component Side w8: U10.62@2027.32,2268.86 2027.32,2307.32 2050,2330 2120,2330 2139.53,2310.47 R31.1@2220,2310.47 R33.1@2290,2310.47 2508.03,2310.47 C63.1@2510,2308.5 2579.45,2308.5 R32.1@2580.47,2309.53